# Altium PCB R100.230.010.001-00 Invertor.PcbDoc (part 1 of 2)
Units mm, origin at the board's own origin, x right, y up, seen from the top; angles counter-clockwise.
Board outline 157 x 220 mm, 2 copper layers (Top, Bottom), stack 2.14 mm thick; 111 components, 54 nets, 1109 pads, 1308 vias.
Unrouted connection lines stored in the file: 2.
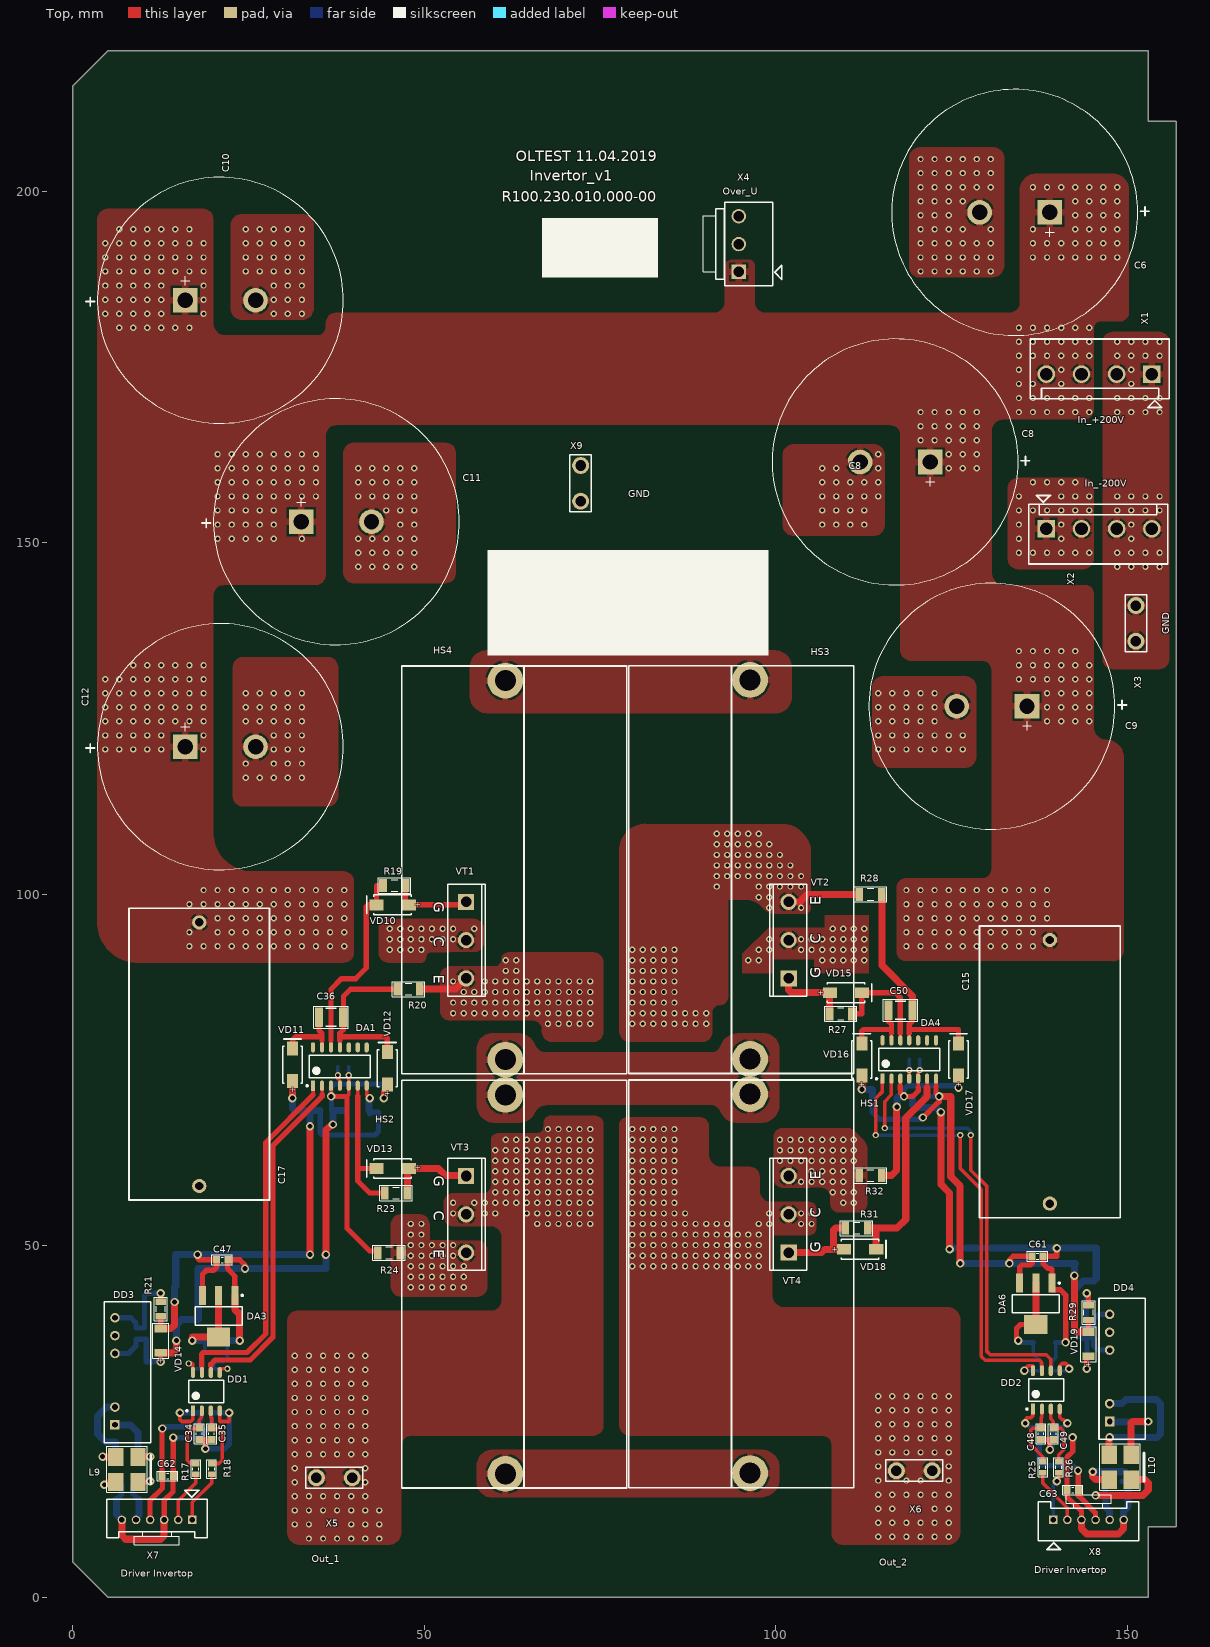
[diagram p0: Top view]
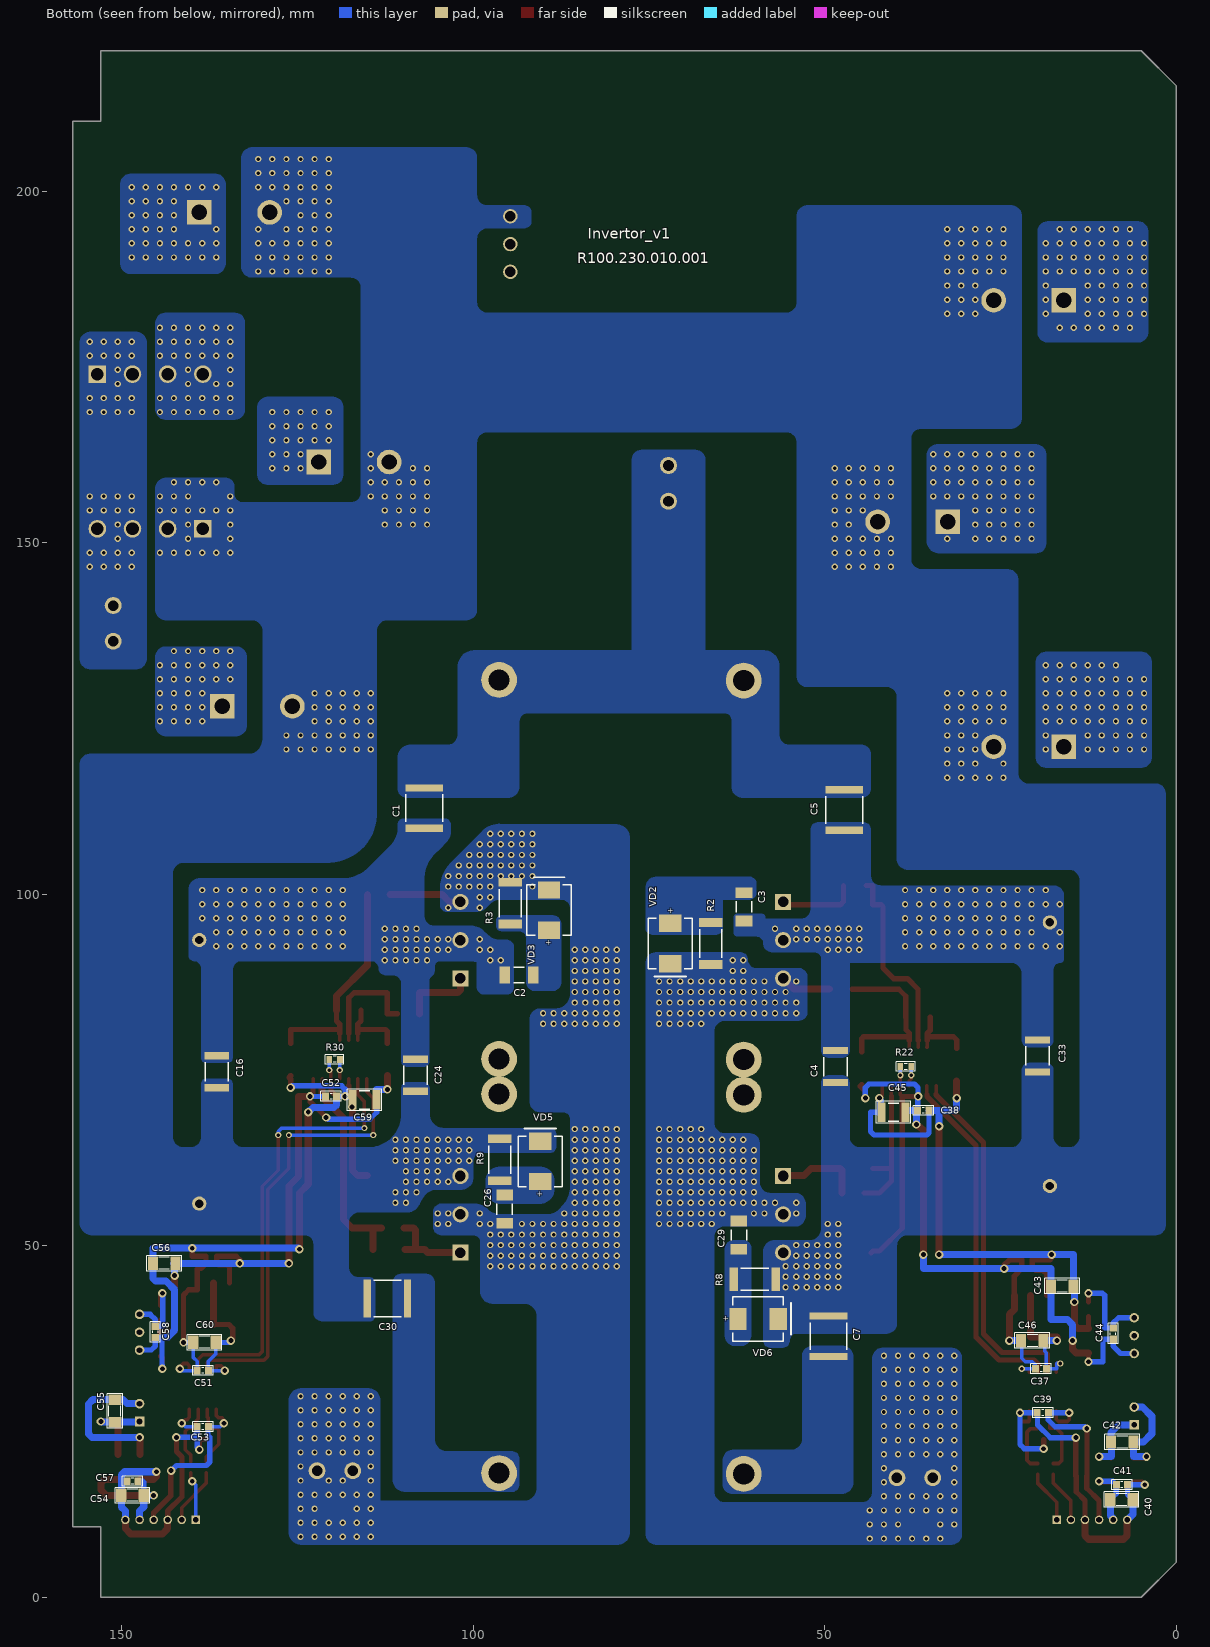
[diagram p1: Bottom view, seen from below]
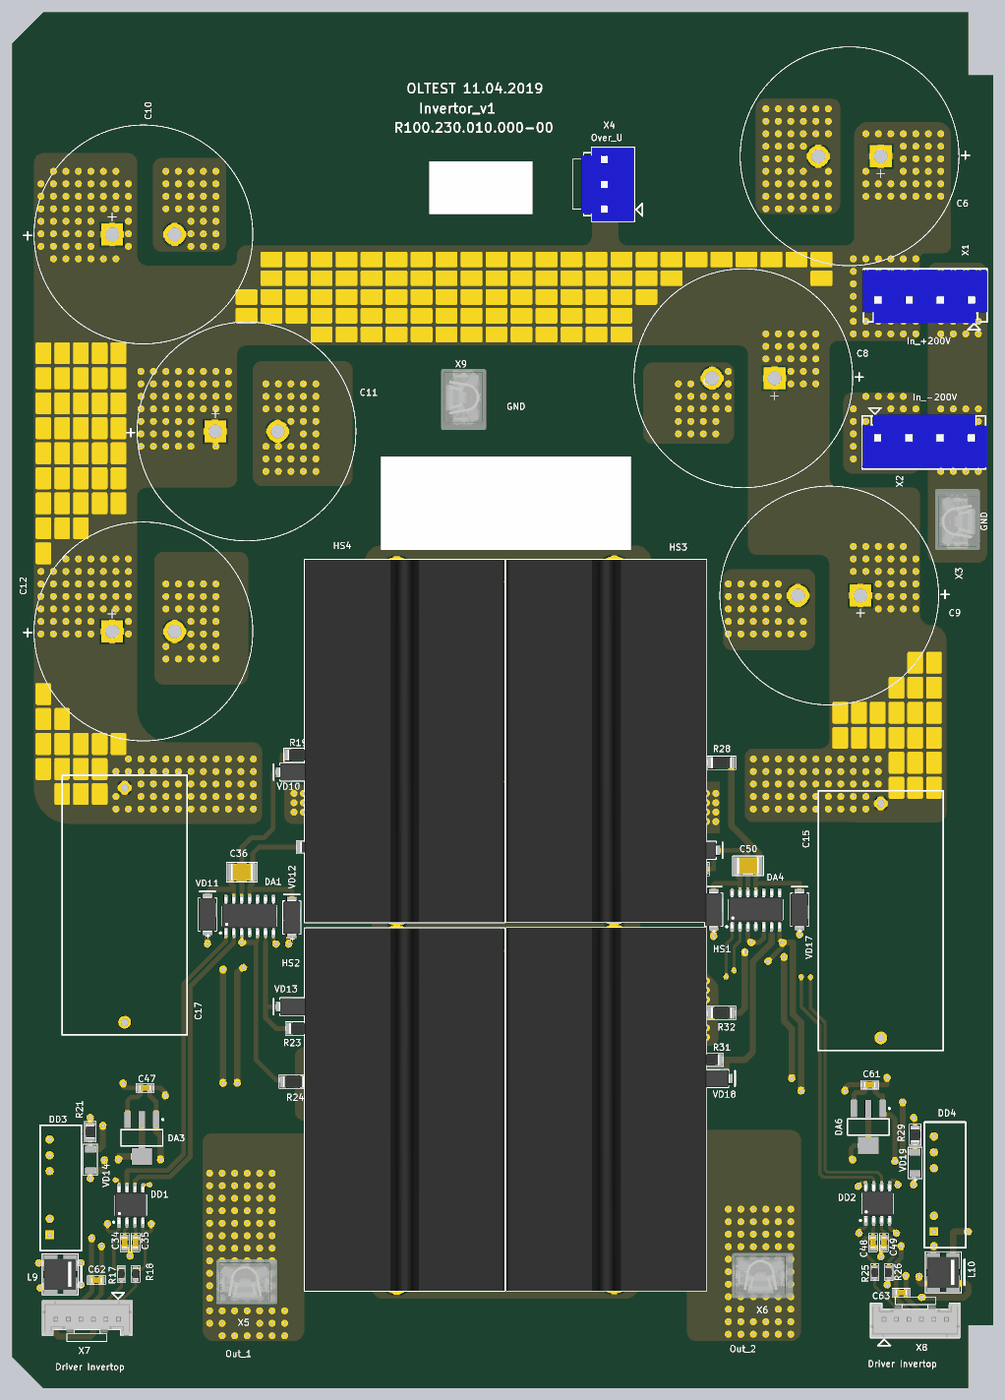
[diagram p3: 3D render of the assembled board from above, using the file's embedded part models]
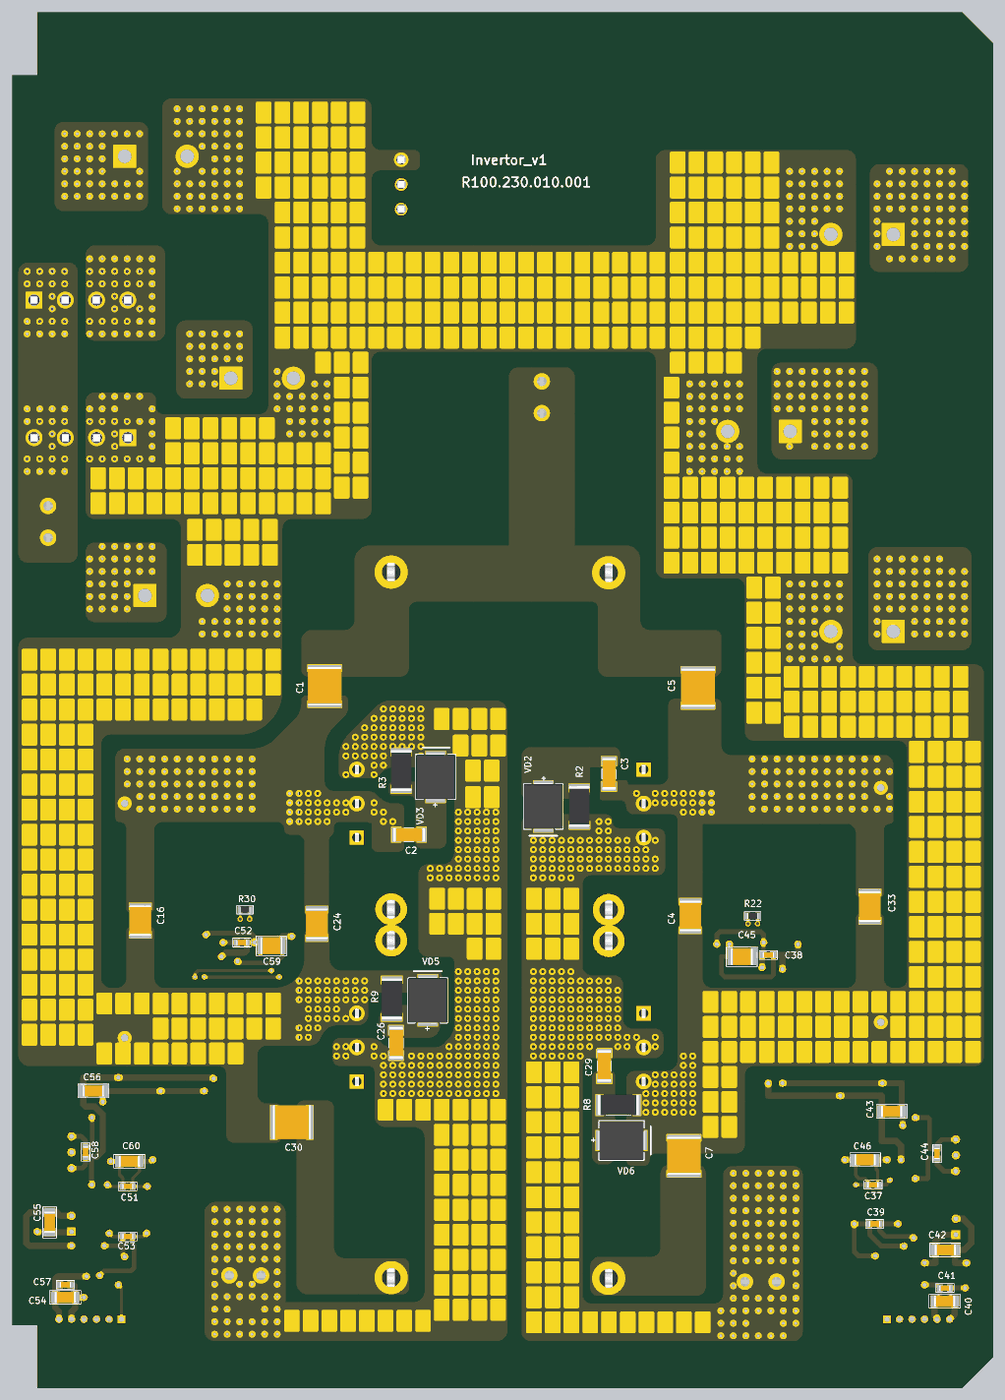
[diagram p4: 3D render of the assembled board from below, using the file's embedded part models]

## Layer stack, top to bottom
Top Solder: solder mask 0.0102, Solder Resist, Dk 3.5
Top: signal copper 0.07
Dielectric 1: dielectric 2, FR-4, Dk 4.8
Bottom: signal copper 0.07
Bottom Solder: solder mask 0.0102, Solder Resist, Dk 3.5

## Board outline
5,0 0,5 0,215 5,220 153,220 153,210 157,210 157,10 153,10 153,0

## Design rules (kind name [scope] priority, off if disabled: settings)
BoardOutlineClearance [All] p1: gap=0.5
Clearance Clearance_1 [(ObjectKind = 'Pad') And (Component = 'R10') And (Name = 'R10-2') vs InNet('VOUT-')] p1: gap=0.3
Clearance Clearance_Vout+- [InNet('VOUT+') or InNet('VOUT-')] p2: gap=1
Clearance Clearance_VOUT+-_4_+-Vin [InNet('VOUT+_4') or InNet('VOUT-_4') vs InNet('-VIN_200') or InNet('+VIN_200')] p3: gap=2
Clearance Clearance_VOUT+_4_VOUT-_4 [InNet('VOUT+_4') vs InNet('VOUT-_4')] p4: gap=2
Clearance Clearance_Vout_all [InNet('VOUT+_4') or InNet('VOUT-_4') or  InNet('VOUT+_3') or InNet('VOUT-_3') or InNet('VOUT+_2') or InNet('VOUT-_2') or InNet('VOUT+_1') or InNet('VOUT-_1') or InNet('VOUT+') or InNet('VOUT-')] p5: gap=1.2
Clearance Clearance_xp3_xp2_-Vin_200 [((ObjectKind = 'Pad') And (Component = 'XP3') And (Name = 'XP3-5')) or ((ObjectKind = 'Pad') And (Component = 'XP2') And (Name = 'XP2-5')) vs InNet('-VIN_200')] p6: gap=0.5
Clearance Clearance_+Vin_200_-Vin_200 [InNet('+VIN_200') vs InNet('-VIN_200')] p7: gap=2.2
Clearance Clearance_-Vin_200_All [InNet('-VIN_200') or InNet('+VIN_200')] p8: gap=1.2
Clearance [All] p9: gap=0.3 except(0.4: Arc-Poly Track-Poly SMDPad-Poly THPad-Poly Via-Poly Fill-Poly Poly-Poly)
ComponentClearance ComponentClearance_HS1 [(ObjectKind = 'Component') And (Name = 'HS1') or     (ObjectKind = 'Component') And (Name = 'HS2') or     (ObjectKind = 'Component') And (Name = 'HS3') or     (ObjectKind = 'Component') And (Name = 'HS4')] p1: gap=0.1 collisioncheckmode=3 verticalgap=0.1 showdistances=FALSE
ComponentClearance [All] p2: gap=0.254 collisioncheckmode=3 verticalgap=0.254 showdistances=FALSE
Height [All] p1: minheight=0 maxheight=63.5 prefheight=12.7
HoleSize [All] p1: absolutevalues=TRUE maxlimit=6.35 minlimit=0.5 maxpercent=80.000 minpercent=20.000
MinimumAnnularRing [All] p1: minimumring=0.2
PolygonConnect PolygonConnect_shunt [(ObjectKind = 'Pad') And (Component = 'R10') And (Name = 'R10-1') or (ObjectKind = 'Pad') And (Component = 'R10') And (Name = 'R10-3')] p1: connectstyle=Direct reliefconductorwidth=0.254 reliefentries=4 polygonreliefangle="90 Angle" airgapwidth=0.254
PolygonConnect PolygonConnect_snnaber [((ObjectKind = 'Pad') And (Component = 'C3') And (Name = 'C3-2'))  or (ObjectKind = 'Poly') And (Net = 'NetC3_1')  or (ObjectKind = 'Pad') And (Component = 'R2') And (Name = 'R2-1')  or (ObjectKind = 'Pad') And (Component = 'VD2') And (Name = 'VD2-2')  or(ObjectKind = 'Pad') And (Component = 'C29') And (Name = 'C29-2') or (ObjectKind = 'Poly') And (Net = 'NetC29_1') or (ObjectKind = 'Pad') And (Component = 'VD6') And (Name = 'VD6-2') or (ObjectKind = 'Pad') And (Component = 'R8') And (Name = 'R8-1') or (ObjectKind = 'Poly') And (Net = 'N2') And (Name = 'Top Overlay-No Net')] p2: connectstyle=Direct reliefconductorwidth=0.254 reliefentries=4 polygonreliefangle="90 Angle" airgapwidth=0.254
PolygonConnect PolygonConnect_1 [IsStitchingVia] p3: connectstyle=Direct reliefconductorwidth=0.254 reliefentries=4 polygonreliefangle="90 Angle" airgapwidth=0.254
PolygonConnect PolygonConnect_bottom_fill [OnLayer('Bottom')] p4: connectstyle=Direct reliefconductorwidth=0.254 reliefentries=4 polygonreliefangle="90 Angle" airgapwidth=0.254
PolygonConnect PoligonConnect_top [OnLayer('Top')] p5: connectstyle=Relief reliefconductorwidth=1 reliefentries=4 polygonreliefangle="90 Angle" airgapwidth=0.3
RoutingVias [All] p1: holewidth=0.7 width=1.2 viastyle="Through Hole" minholewidth=0.5 minwidth=0.8 maxholewidth=5.08 maxwidth=7.62
SolderMaskExpansion [All] p1: expansion=0.102
Width Width_+Vin_200 [InNet('+VIN_200')] p1: maxlimit=50 minlimit=0.762 preferedwidth=10 checkconnectedcopper=TRUE
Width [InNet('No Net')] p2: maxlimit=0.254 minlimit=0.254 preferedwidth=0.254
27 further rules are at their usual default settings.

## Classes and differential pairs
component class 02_Invertor: C34 C35 C36 C37 C38 C39 C40 C41 C42 C43 C44 C45 C46 C47 C48 C49 C50 C51 C52 C53 C54 C55 C56 C57 C58 C59 C60 C61 C62 C63 DA1 DA3 DA4 DA6 DD1 DD2 DD3 DD4 L9 L10 R17 R18 R19 R20 R21 R22 R23 R24 R25 R26 R27 R28 R29 R30 R31 R32 VD10 VD11 VD12 VD13 VD14 VD15 VD16 VD17 VD18 VD19 X7 X8
component class 01_Invertor: C1 C2 C3 C4 C5 C6 C7 C8 C9 C10 C11 C12 C15 C16 C17 C24 C26 C29 C30 C33 HS1 HS2 HS3 HS4 R2 R3 R8 R9 VD2 VD3 VD5 VD6 VT1 VT2 VT3 VT4 X1 X2 X3 X4 X5 X6 X9

## Components (designator, comment, footprint, x,y, rotation, side; value= is the part's Value field where it differs from the comment)
C1 "4700pF X1/Y2" SMD_C_2220 107,112.25 r90 bottom
C2 "1.5nF" SMD_C_1808 93.5,88.5 r0 bottom
C3 "1.5nF" SMD_C_1808 61.5,98.225 r270 bottom
C4 "0.1u" SMD_C_1812 48.5,75.5 r90 bottom
C5 "4700pF X1/Y2" SMD_C_2220 47.25,112 r90 bottom
C6 "470uF 450V" EL_D35_H45_LS10 139,197 r180 top
C7 "4700pF X1/Y2" SMD_C_2220 49.5,37.125 r90 bottom
C8 "470uF 450V" EL_D35_H45_LS10 122,161.5 r180 top
C9 "470uF 450V" EL_D35_H45_LS10 135.75,126.75 r180 top
C10 "470uF 450V" EL_D35_H45_LS10 16,184.5 r0 top
C11 "470uF 450V" EL_D35_H45_LS10 32.5,153 r0 top
C12 "470uF 450V" EL_D35_H45_LS10 16,121 r0 top
C15 "2.2uF 600VDC" MKP_W20_H39.5_L41.5_LS37.5 139,93.5 r270 top
C16 "0.1u" SMD_C_1812 136.5,74.75 r90 bottom
C17 "2.2uF 600VDC" MKP_W20_H39.5_L41.5_LS37.5 18,96 r270 top
C24 "0.1u" SMD_C_1812 108.25,74.25 r90 bottom
C26 "1.5nF" SMD_C_1808 95.554,55.196 r270 bottom
C29 "1.5nF" SMD_C_1808 62.25,51.5 r90 bottom
C30 "4700pF X1/Y2" SMD_C_2220 112.25,42.5 r180 bottom
C33 "0.1u" SMD_C_1812 19.75,77 r90 bottom
C34 "100p" SMD_C_0603 18,23.25 r270 top
C35 "100p" SMD_C_0603 19.75,23.25 r270 top
C36 "2.2u" SMD_C_1210 36.75,82.5 r0 top
C37 "0.1u" SMD_C_0603 19.25,32.5 r180 bottom
C38 "0.1u" SMD_C_0603 36,69.25 r0 bottom
C39 "0.1u" SMD_C_0603 19,26.25 r180 bottom
C40 "10u" SMD_C_1206 7.8,13.878 r0 bottom
C41 "0.1u" SMD_C_0603 7.75,16 r0 bottom
C42 "10u" SMD_C_1206 7.7,22.078 r0 bottom
C43 "10u" SMD_C_1206 16.25,44.25 r180 bottom
C44 "0.1u" SMD_C_0603 9,37.5 r90 bottom
C45 "2.2u" SMD_C_1210 40.25,69 r180 bottom
C46 "10u" SMD_C_1206 20.5,36.5 r180 bottom
C47 "0.1u" SMD_C_0603 21.25,48 r180 top
C48 "100p" SMD_C_0603 137.75,23.25 r270 top
C49 "100p" SMD_C_0603 139.504,23.25 r270 top
C50 "2.2u" SMD_C_1210 117.75,83.5 r0 top
C51 "0.1u" SMD_C_0603 138.5,32.25 r180 bottom
C52 "0.1u" SMD_C_0603 120.25,71.25 r180 bottom
C53 "0.1u" SMD_C_0603 138.5,24.25 r180 bottom
C54 "10u" SMD_C_1206 148.5,14.5 r180 bottom
C55 "10u" SMD_C_1206 151,26.5 r270 bottom
C56 "10u" SMD_C_1206 144,47.5 r180 bottom
C57 "0.1u" SMD_C_0603 148.5,16.5 r180 bottom
C58 "0.1u" SMD_C_0603 145.25,37.75 r90 bottom
C59 "2.2u" SMD_C_1210 115.5,70.75 r0 bottom
C60 "10u" SMD_C_1206 138.25,36.25 r180 bottom
C61 "0.1u" SMD_C_0603 137.25,48.5 r180 top
C62 "1u" SMD_C_0603 13.5,17.25 r0 top
C63 "1u" SMD_C_0603 142.25,15.25 r180 top
DA1 "IRS21844S" SOIC-14(127P600X175) 38,75.5 r90 top
DA3 "TLV1117-50IDCY" SOT-223_M 20.75,40 r270 top
DA4 "IRS21844S" SOIC-14(127P600X175) 119,76.5 r90 top
DA6 "TLV1117-50IDCY" SOT-223_M 137,41.75 r270 top
DD1 "ADUM3200ARZ" SOIC-8 19,29.25 r90 top
DD2 "ADUM3200ARZ" SOIC-8 138.5,29.5 r90 top
DD3 "TMV1215S" SIP7 6,24.518 r90 top
DD4 "TMV1215S" SIP7 147.5,25 r90 top
HS1 "Heat Sink C40-058-VE" "HEAT SINK C40-058-VE" 96.35,71.575 r0 top
HS2 "Heat Sink C40-058-VE" "HEAT SINK C40-058-VE" 61.55,17.55 r180 top
HS3 "Heat Sink C40-058-VE" "HEAT SINK C40-058-VE" 96.35,130.5 r0 top
HS4 "Heat Sink C40-058-VE" "HEAT SINK C40-058-VE" 61.55,76.475 r180 top
L9 "DLW5BSM302SQ2" DLW5BS(AH) 7.7,18.178 r90 top
L10 "DLW5BSM302SQ2" DLW5BS(AH) 149,18.5 r90 top
R2 "4.7" SMD_R_2512 66.25,93 r90 bottom
R3 "4.7" SMD_R_2512 94.75,98.75 r270 bottom
R8 "4.7" SMD_R_2512 60,45.25 r0 bottom
R9 "4.7" SMD_R_2512 96.25,62.25 r270 bottom
R17 "100" SMD_R_0603 17.5,18.25 r90 top
R18 "100" SMD_R_0603 19.75,18.25 r90 top
R19 "6.2" SMD_R_1206 45.75,101.25 r0 top
R20 "1" SMD_R_1206 47.75,86.5 r0 top
R21 "49.9" SMD_R_0805 12.5,41 r270 top
R22 "0R" SMD_R_0603 38.5,75.5 r180 bottom
R23 "6.2" SMD_R_1206 46,57.5 r0 top
R24 "1" SMD_R_1206 45,49 r0 top
R25 "100" SMD_R_0603 138,18.5 r90 top
R26 "100" SMD_R_0603 140.25,18.5 r90 top
R27 "6.2" SMD_R_1206 109.25,83 r180 top
R28 "1" SMD_R_1206 113.5,100 r180 top
R29 "49.9" SMD_R_0805 144.5,40.5 r270 top
R30 "0R" SMD_R_0603 119.75,76.5 r180 bottom
R31 "6.2" SMD_R_1206 111.5,52.5 r180 top
R32 "1" SMD_R_1206 113.5,60 r180 top
VD2 "STTH4R02S" SMC 72,93 r270 bottom
VD3 "STTH4R02S" SMC 89.25,97.75 r90 bottom
VD5 "STTH4R02S" SMC 90.5,62 r90 bottom
VD6 "STTH4R02S" SMC 59.5,39.596 r180 bottom
VD10 "ES1B" DO-214AC 45.5,98.5 r180 top
VD11 "US1M" DO-214AC 31.25,75.75 r90 top
VD12 "US1M" DO-214AC 44.75,75.25 r90 top
VD13 "ES1B" DO-214AC 45.5,61 r180 top
VD14 "BZV55-C16" SOD80C 12.5,36.5 r90 top
VD15 "ES1B" DO-214AC 110,86 r0 top
VD16 "US1M" DO-214AC 112.25,76.5 r90 top
VD17 "US1M" DO-214AC 126,76.5 r90 top
VD18 "ES1B" DO-214AC 112,49.5 r0 top
VD19 "BZV55-C16" SOD80C 144.5,36 r90 top
VT1 "IRG4PC40UD" TO-247AC-3PINS 55.95,93.475 r270 top
VT2 "IRG4PC40UD" TO-247AC-3PINS 101.85,93.475 r90 top
VT3 "IRG4PC40UD" TO-247AC-3PINS 55.95,54.475 r270 top
VT4 "IRG4PC40UD" TO-247AC-3PINS 101.85,54.475 r90 top
X1 "B04P-NV" B04P-NV 153.5,174 r180 top
X2 "B04P-NV" B04P-NV 138.5,152 r0 top
X3 "63849-1" 63849-1+INSULATOR(154719-1) 151.25,141.08 r270 top
X4 "B3P-VH" B3P-VH 94.75,188.54 r90 top
X5 "63849-1" 63849-1+INSULATOR(154719-1) 39.75,17 r180 top
X6 "63849-1" 63849-1+INSULATOR(154719-1) 122.25,18 r180 top
X7 "Sherlock 6" 35362-0650 17,11 r0 top
X8 "Sherlock 6" 35362-0650 139.5,11 r180 top
X9 "63849-1" 63849-1+INSULATOR(154719-1) 72.25,155.92 r90 top

## Footprints (in the part's own frame and the unit in brackets; to place one, negate y for a bottom-side part, rotate by r counter-clockwise, add the part's x,y. Pads: shape width x height; smd on the part's side, far side on the other; paste and mask are expansions set on the pad)
35362-0650 [mil]
  rect 48x48 / inner round 0 / far side rect 48x48 hole 31.5 mask+4.97: 1(0,0)
  round 48 / inner round 0 / far side round 48 hole 31.5 mask+4.97: 2(-78.73,0) 3(-157.47,0) 4(-236.22,0) 5(-314.95,0) 6(-394,0)
  silkscreen extent -478,-140 85,166, body extent -478,-102 85,116, height 335
63849-1+INSULATOR(154719-1) [mil]
  round 95 hole 59.06: 1(0,0) 2(200,0)
  silkscreen extent -60,-60 260,60, body extent -106,-141 279,142, height 955
B3P-VH [mm]
  rect 2.057x2.057 / inner round 0 / far side round 2.057 hole 1.5 mask+0.128: 1(0,0)
  round 2.057 / inner round 0 / far side round 2.057 hole 1.5 mask+0.128: 2(3.96,0) 3(7.92,0)
  silkscreen extent -1.95,-6.1 9.91,5.08, body extent -1.95,-4.78 9.87,3.72, height 10.93
B04P-NV [mm]
  rect 2.5x2.5 hole 1.8: 1(0,0)
  round 2.5 hole 1.8: 2(5,0) 3(10,0) 4(15,0)
  silkscreen extent -2.5,-5 17.27,4.75, body extent -2.52,-4.83 17.47,3.68, height 10.9
DLW5BS(AH) [mil] "SMD Inductor"
  rect 102.24x86 smd: 1(-70,-62) 2(70,-62) 3(70,62) 4(-70,62)
  silkscreen extent -129,-134 130,114, body extent -98,-96 98,100, height 96
DO-214AC [mm] "Molded Diode, 2-Leads, Body 5,10x2,67mm, IPC Medium Density"
  rect 2x1.55 smd: 1(-2.3,0) 2(2.3,0)
  silkscreen extent -2.65,-1.4 3.67,1.4, body extent -2.86,-1.4 2.86,1.4, height 2.3
EL_D35_H45_LS10 [mm]
  rect 3.5x3.5 hole 2.2: 1(0,0)
  round 3.5 hole 2.2 mask+0.102: 2(10,0)
  silkscreen extent -14.15,-17.5 22.5,17.5, body extent -12.5,-17.5 22.5,17.5, height 45
"HEAT SINK C40-058-VE" [mm]
  round 5.1 hole 3: 1(0,0) 2(0,-53.925)
  silkscreen extent -17.25,-56 14.75,2, body extent -17.25,-56 14.75,2, height 46.4
MKP_W20_H39.5_L41.5_LS37.5 [mil]
  round 80 hole 47.24: 1(0,0) 2(1476.38,0)
  silkscreen extent -79,-394 1555,394, body extent -84,-399 1560,399, height 1555
SIP7 [mm]
  rect 1.36x1.36 hole 0.8 mask+0.102: 1(0,0)
  round 1.36 hole 0.8 mask+0.102: 2(2.54,0) 5(10.16,0) 6(12.7,0) 7(15.24,0)
  silkscreen extent -2.54,-5.08 17.53,1.52, body extent -2.54,-5.08 17.53,1.52, height 10.16